# Altium PCB PMSM_Driver.PcbDoc (part 1 of 4) (continued)
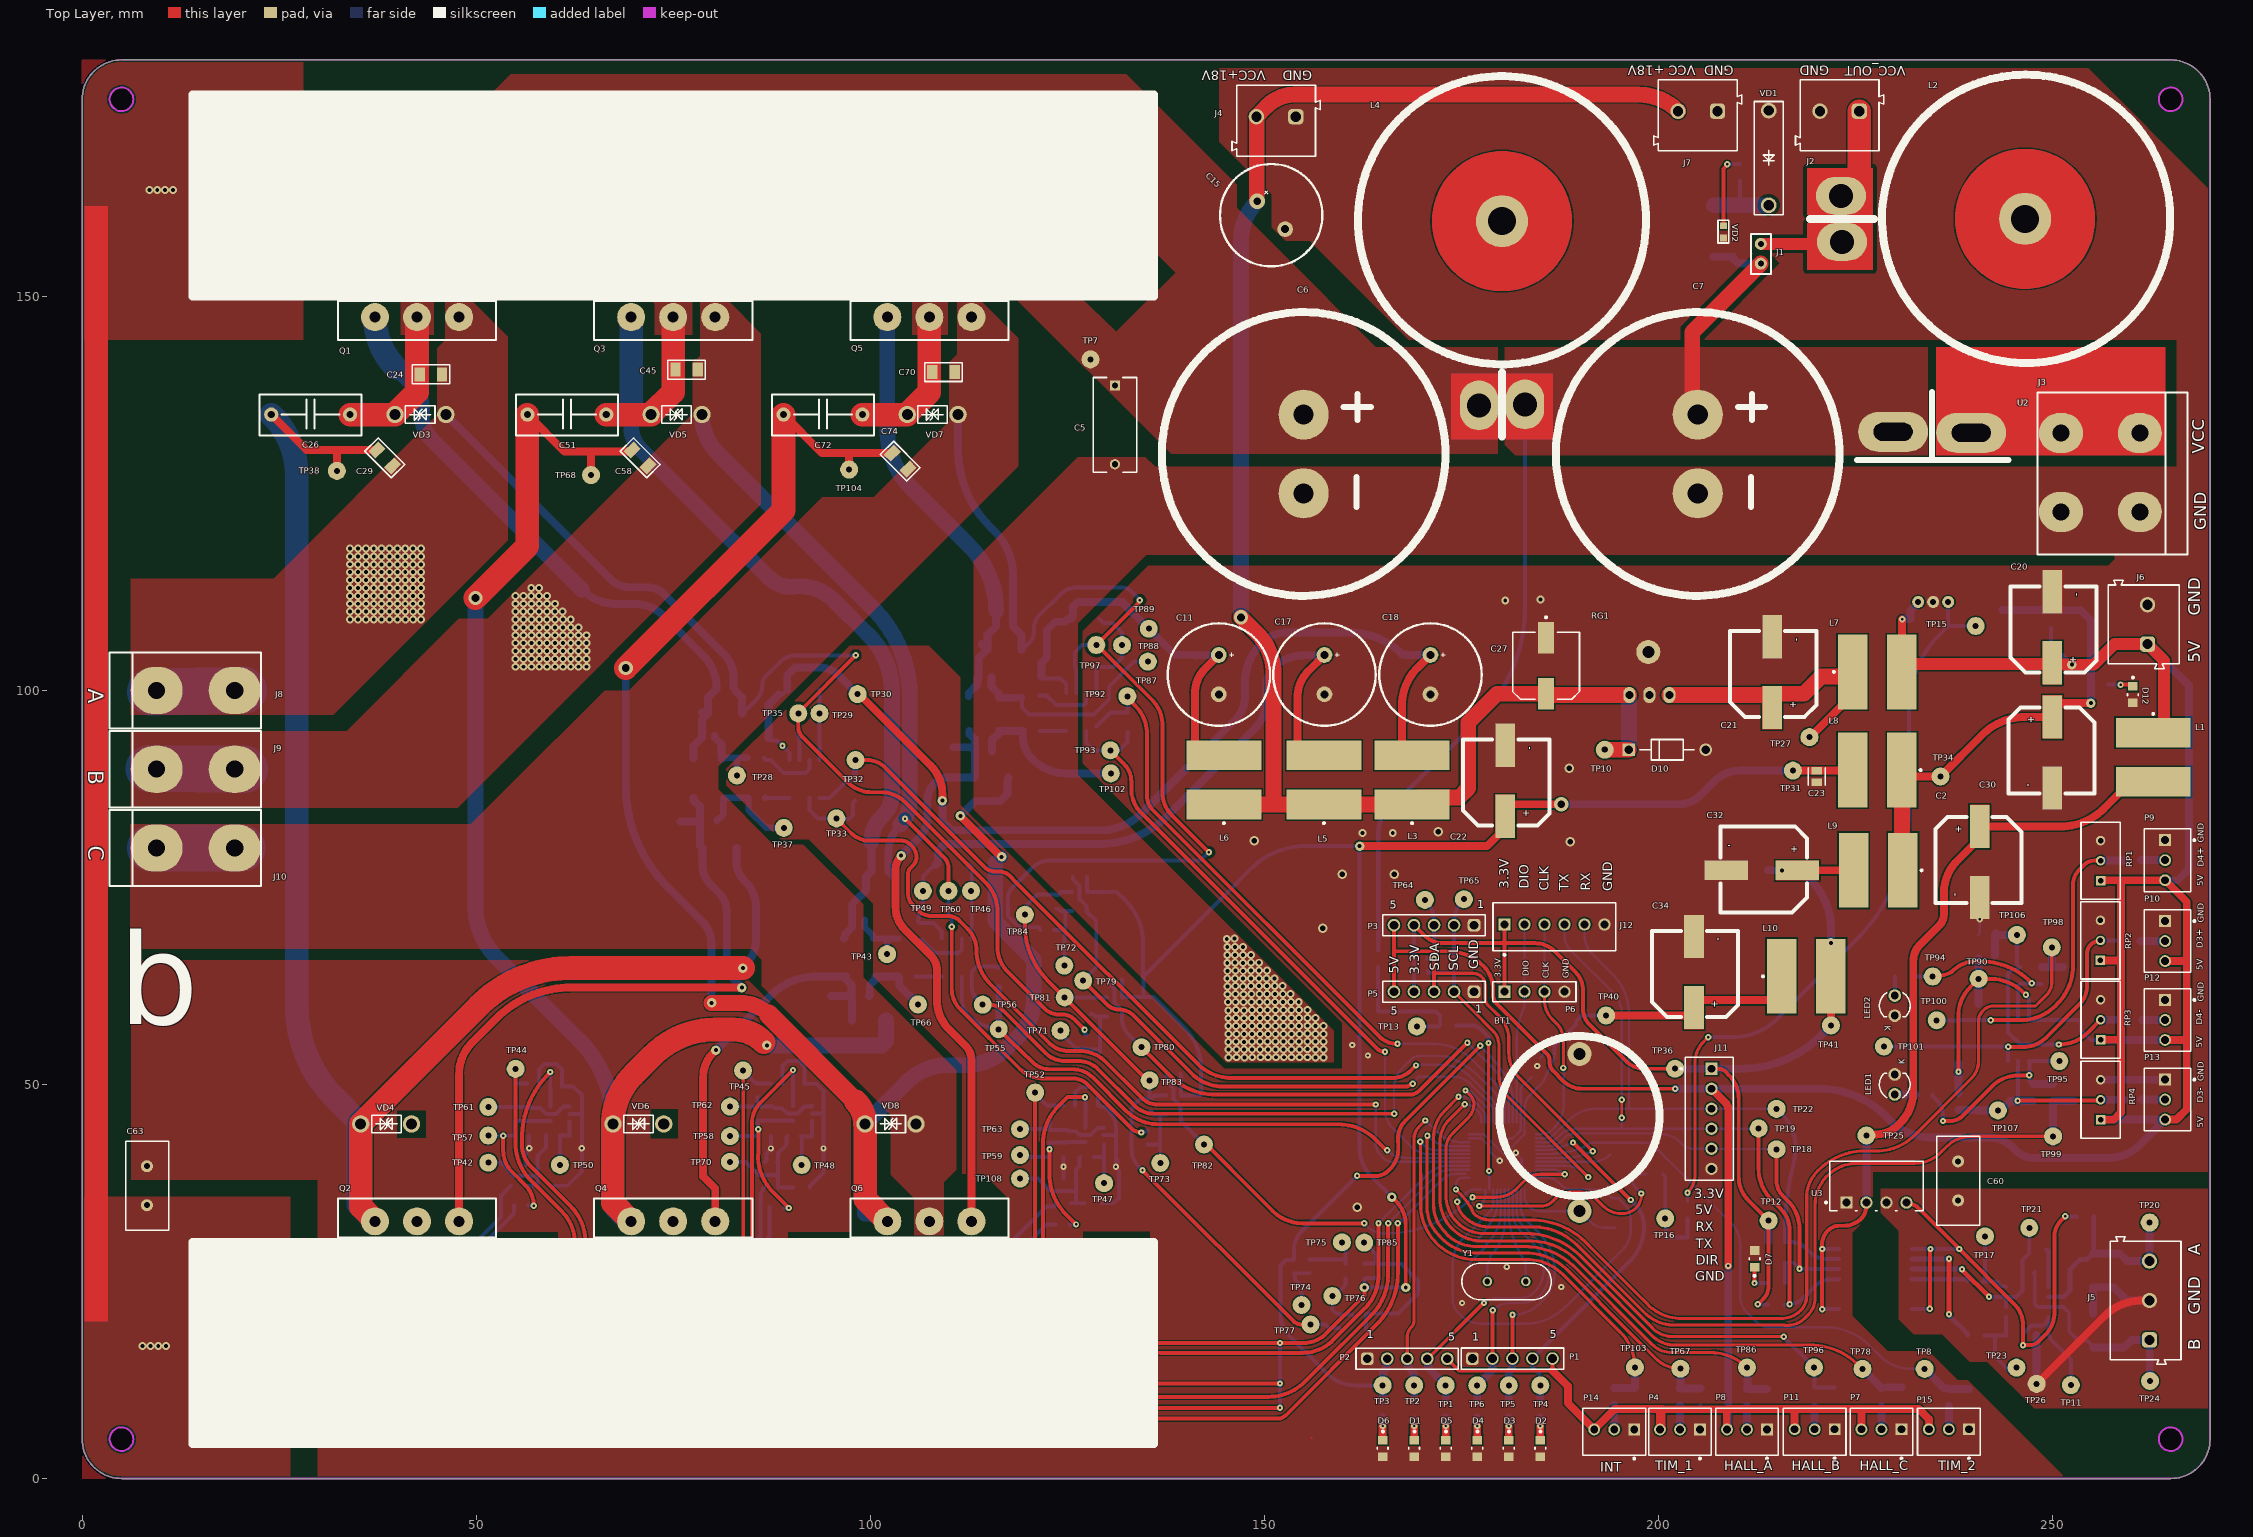
[diagram p0: Top Layer view]
## Components (designator, comment, footprint, x,y, rotation, side; value= is the part's Value field where it differs from the comment) (continued)
D15 "LL4448-GS08" FP-6_560-5005_01-4-MFG 98.516,68.515 r180 bottom value=4pF
D16 "US1G-13-F" FP-SMA-MFG 110.475,77.775 r180 bottom value=20pF
D17 "LL4448-GS08" FP-6_560-5005_01-4-MFG 98.781,63.72 r180 bottom value=4pF
D18 "LL4448-GS08" FP-6_560-5005_01-4-MFG 114.377,99.259 r180 bottom value=4pF
D19 "US1G-13-F" FP-SMA-MFG 127.095,109.065 r180 bottom value=20pF
D20 "LL4448-GS08" FP-6_560-5005_01-4-MFG 114.432,94.867 r180 bottom value=4pF
D21 "LMV358AIDR" 8-SOIC 245.021,55.568 r90 bottom
J1 "Jumper 1x2.54" Jumper_2.54 213,156.655 r270 top
J2 "691101710002" 691101710002 223,173 r180 top locked
J3 "TL-800" Conn_Tianli_T-800 256.1,127.65 r90 top
J4 "691101710002" 691101710002 151.5,172.3 r180 top locked
J5 "691101710003" 691101710003 261.82,22.59 r90 top
J6 "691101710002" 691101710002 261.575,108.375 r90 top
J7 "691101710002" 691101710002 205,173 r180 top locked
J8 "MG_136_HT" Conn_MEIGAN_MG136HT 12,100 r270 top
J9 "MG_136_HT" Conn_MEIGAN_MG136HT 12,90 r270 top
J10 "MG_136_HT" Conn_MEIGAN_MG136HT 12,80 r270 top locked
J11 "SWR25X-NRTC-S06-ST-BA" Sullins_SWR25X-NRTC-S06-ST-BA_MFG 206.452,45.647 r270 top
J12 "SWR25X-NRTC-S06-ST-BA" Sullins_SWR25X-NRTC-S06-ST-BA_MFG 186.818,70.002 r0 top
L1 "744776227" WE-PD2_1054 1532.8,-1178.475 r270 top
L2 "Coil" Coil_drosel 252,170 r90 top locked
L3 "744776227" WE-PD2_1054 -1101.25,1358.65 r90 top locked
L4 "Coil" Coil_drosel 170,165 r180 top
L5 "744776227" WE-PD2_1054 -1112.435,1358.65 r90 top locked
L6 "744776227" WE-PD2_1054 -1125.128,1358.65 r90 top locked
L7 "744776227" WE-PD2_1054 1497.775,1372.35 r0 top
L8 "744776227" WE-PD2_1054 -1042.225,-1180.117 r180 top
L9 "744776227" WE-PD2_1054 -1042.1,-1192.825 r180 top
L10 "744776227" WE-PD2_1054 1488.775,1333.725 r0 top
LED1 "151033BS03000" "Type 3mm" 230,50 r90 top locked
LED2 "151033BS03000" "Type 3mm" 230,60 r270 top locked
P1 "61300511121" 61300511121 181.491,15.221 r0 top
P2 "61300511121" 61300511121 168.136,15.196 r0 top
P3 "61300511121" 61300511121 171.536,70.213 r180 top
P4 "61900311121" 61900311121 202.745,5.92 r0 top
P5 "61300511121" 61300511121 171.536,61.773 r180 top
P6 "TSW-104-08-G-S" SMTC-TSW-104-08-X-S 180.47,61.775 r0 top locked
P7 "61900311121" 61900311121 228.31,5.95 r0 top
P8 "61900311121" 61900311121 211.253,5.929 r0 top
P9 "61900311121" 61900311121 264.606,78.459 r90 top
P10 "61900311121" 61900311121 264.606,68.194 r90 top
P11 "61900311121" 61900311121 219.835,5.951 r0 top
P12 "61900311121" 61900311121 264.606,58.184 r90 top
P13 "61900311121" 61900311121 264.606,48.084 r90 top
P14 "61900311121" 61900311121 194.402,5.925 r0 top
P15 "61900311121" 61900311121 236.865,5.95 r0 top locked
Q1 "F60N120T" TO-264-3 42.5,148 r0 top locked
Q2 "F60N120T" TO-264-3 42.5,32 r180 top locked
Q3 "F60N120T" TO-264-3 75,148 r0 top locked
Q4 "F60N120T" TO-264-3 75,32 r180 top locked
Q5 "F60N120T" TO-264-3 107.5,148 r0 top locked
Q6 "F60N120T" TO-264-3 107.5,32 r180 top locked
R1 "220" Yageo_RC0805_IPC_A 185.021,8.821 r90 bottom
R2 "" Yageo_RC0805_IPC_A 181.021,8.821 r90 bottom
R3 "" Yageo_RC0805_IPC_A 177.021,8.821 r90 bottom
R4 "" Yageo_RC0805_IPC_A 173.021,8.821 r90 bottom
R5 "" Yageo_RC0805_IPC_A 169.021,8.821 r90 bottom
R6 "" Yageo_RC0805_IPC_A 165.021,8.821 r90 bottom
R7 "RC0805FR-07100KL" Yageo_RC0805_IPC_A 164.45,65.975 r90 bottom
R8 "4.7K" RES-2512 208.246,158.3 r270 bottom
R9 "" Yageo_RC0805_IPC_A 194,40 r270 bottom locked
R10 "" Yageo_RC0805_IPC_A 203.7,34.1 r90 bottom
R11 "" Yageo_RC0805_IPC_A 210.375,165.7 r270 bottom
R12 "" Yageo_RC0805_IPC_A 254.18,33.26 r180 bottom
R13 "" Yageo_RC0805_IPC_A 215,30.025 r180 bottom locked
R14 "" Yageo_RC0805_IPC_A 215,22.1 r180 bottom locked
R15 "" Yageo_RC0805_IPC_A 245.2,18.171 r0 bottom
R16 "" Yageo_RC0805_IPC_A 240.35,27.87 r180 bottom
R17 "" Yageo_RC0805_IPC_A 164.45,58.239 r90 bottom
R18 "" Yageo_RC0805_IPC_A 240.346,25.17 r180 bottom
R19 "" Yageo_RC0805_IPC_A 203.717,29.525 r90 bottom
R20 "" Yageo_RC0805_IPC_A 240.305,18.171 r180 bottom
R21 "" Yageo_RC0805_IPC_A 215,24.8 r0 bottom locked
R22 "10K" Yageo_RC0805_IPC_C 248.64,26.21 r180 bottom
R23 "" Yageo_RC0805_IPC_A 248.14,28.744 r180 bottom
R24 "" Yageo_RC0805_IPC_A 215,27.375 r0 bottom locked
R25 "10 OHM" FP-RT0805-IPC_C 79.464,94.237 r180 bottom value=10Ω
R26 "" Yageo_RC0805_IPC_A 81.564,100.388 r180 bottom
R27 "10 OHM" FP-RT0805-MFG 85.464,91.437 r180 bottom value=10Ω
R28 "" Yageo_RC0805_IPC_A 99.132,86.049 r180 bottom
R29 "" Yageo_RC0805_IPC_A 99.132,88.719 r180 bottom
R30 "" Yageo_RC0805_IPC_A 85.587,86.388 r0 bottom
R31 "" Yageo_RC0805_IPC_A 256.05,100.722 r180 bottom
R32 "" Yageo_RC0805_IPC_A 79.464,83.388 r0 bottom
R33 "" Yageo_RC0805_IPC_A 74.864,83.388 r0 bottom
R34 "" Yageo_RC0805_IPC_A 174.975,27.169 r180 bottom
R35 "1K" Yageo_RC0805_IPC_C 55.305,37.15 r180 bottom
R36 "RES-CONST" RES-3921 42.5,21 r135 bottom locked
R37 "" Yageo_RC0805_IPC_A 58.874,37.15 r180 bottom
R38 "10 OHM" FP-RT0805-IPC_C 98.516,70.915 r180 bottom value=10Ω
R39 "10K" Yageo_RC0805_IPC_C 59.751,43.525 r180 bottom
R40 "10K" Yageo_RC0805_IPC_C 90.364,43.44 r180 bottom
R41 "1K" Yageo_RC0805_IPC_C 55.006,49.269 r270 bottom
R42 "10K" Yageo_RC0805_IPC_C 127.523,40.821 r180 bottom
R43 "1K" Yageo_RC0805_IPC_C 85.723,49.314 r270 bottom
R44 "1K" Yageo_RC0805_IPC_C 122.722,46.445 r270 bottom
R45 "" Yageo_RC0805_IPC_A 101.215,77.215 r180 bottom
R46 "10K" Yageo_RC0805_IPC_C 169.796,65.975 r0 bottom
R47 "10K" Yageo_RC0805_IPC_C 169.903,64.175 r0 bottom
R48 "10 OHM" FP-RT0805-MFG 104.641,68.515 r180 bottom value=10Ω
R49 "10K" Yageo_RC0805_IPC_C 55.007,46.275 r270 bottom
R50 "10K" Yageo_RC0805_IPC_C 85.723,46.314 r270 bottom
R51 "10K" Yageo_RC0805_IPC_C 55.807,43.525 r0 bottom
R52 "10K" Yageo_RC0805_IPC_C 122.722,43.446 r270 bottom
R53 "10K" Yageo_RC0805_IPC_C 86.523,43.44 r0 bottom
R54 "" Yageo_RC0805_IPC_A 117.336,62.363 r180 bottom
R55 "10K" Yageo_RC0805_IPC_C 123.643,40.821 r0 bottom
R56 "" Yageo_RC0805_IPC_A 117.336,64.963 r180 bottom
R57 "" Yageo_RC0805_IPC_A 104.681,63.72 r0 bottom
R58 "" Yageo_RC0805_IPC_A 98.781,61.22 r0 bottom
R59 "" Yageo_RC0805_IPC_A 93.946,61.22 r0 bottom
R60 "" Yageo_RC0805_IPC_A 202.745,10.47 r270 bottom locked
R61 "10K" Yageo_RC0805_IPC_C 131.075,63.3 r180 bottom
R62 "" Yageo_RC0805_IPC_A 205.345,10.47 r270 bottom locked
R63 "1K" Yageo_RC0805_IPC_C 87.425,36.95 r180 bottom
R64 "RES-CONST" RES-3921 75,21 r135 bottom locked
R65 "10K" Yageo_RC0805_IPC_C 126.572,76.325 r180 bottom
R66 "100K" Yageo_RC0805_IPC_C 127.456,55.378 r270 bottom
R67 "10K" Yageo_RC0805_IPC_C 138.5,51.325 r180 bottom
R68 "100K" Yageo_RC0805_IPC_C 164.5,26.317 r90 bottom
R69 "100K" Yageo_RC0805_IPC_C 128.025,59.825 r270 bottom
R70 "100K" Yageo_RC0805_IPC_C 122.45,69.575 r0 bottom
R71 "100K" Yageo_RC0805_IPC_C 135.207,43.278 r270 bottom
R72 "100K" Yageo_RC0805_IPC_C 123.597,73.175 r270 bottom
R73 "" Yageo_RC0805_IPC_A 91.3,36.95 r180 bottom
R74 "100K" Yageo_RC0805_IPC_C 135.45,47.375 r270 bottom
R75 "10K" Yageo_RC0805_IPC_C 153.75,26.913 r90 bottom
R76 "10K" Yageo_RC0805_IPC_C 155.75,26.938 r270 bottom
R77 "100K" Yageo_RC0805_IPC_C 159.525,19.97 r270 bottom
R78 "" Yageo_RC0805_IPC_A 228.31,10.5 r270 bottom locked
R79 "1K" Yageo_RC0805_IPC_C 130.074,56.45 r0 bottom
R80 "1K" Yageo_RC0805_IPC_C 125.622,69.575 r0 bottom
R81 "1K" Yageo_RC0805_IPC_C 137.723,44.325 r0 bottom
R82 "10K" Yageo_RC0805_IPC_C 162.028,20.77 r0 bottom
R83 "" Yageo_RC0805_IPC_A 230.85,10.5 r270 bottom locked
R84 "100K" Yageo_RC0805_IPC_C 162.028,18.893 r180 bottom
R85 "" Yageo_RC0805_IPC_A 211.253,10.479 r270 bottom locked
R86 "10 OHM" FP-RT0805-IPC_C 114.577,101.665 r180 bottom value=10Ω
R87 "" Yageo_RC0805_IPC_A 213.793,10.479 r270 bottom locked
R88 "" Yageo_RC0805_IPC_A 117.052,108.331 r180 bottom
R89 "10 OHM" FP-RT0805-MFG 120.329,99.36 r180 bottom value=10Ω
R90 "" Yageo_RC0805_IPC_A 240.642,59.218 r90 bottom
R91 "" Yageo_RC0805_IPC_A 238.084,53.768 r270 bottom
R92 "" Yageo_RC0805_IPC_A 247.521,48.998 r90 bottom
R93 "" Yageo_RC0805_IPC_A 245.887,63.841 r270 bottom
R94 "" Yageo_RC0805_IPC_A 219.835,10.5 r270 bottom locked
R95 "" Yageo_RC0805_IPC_A 260.106,78.399 r180 bottom
R96 "" Yageo_RC0805_IPC_A 260.072,68.194 r0 bottom
R97 "" Yageo_RC0805_IPC_A 133.697,94.757 r180 bottom
R98 "" Yageo_RC0805_IPC_A 133.697,97.222 r180 bottom
R99 "" Yageo_RC0805_IPC_A 231.1,63.7 r0 bottom
R100 "" Yageo_RC0805_IPC_A 233.723,48.73 r0 bottom
R101 "" Yageo_RC0805_IPC_A 248.646,63.84 r270 bottom
R102 "" Yageo_RC0805_IPC_A 250.063,48.999 r90 bottom
R103 "" Yageo_RC0805_IPC_A 120.431,94.851 r0 bottom
R104 "" Yageo_RC0805_IPC_A 222.375,10.5 r270 bottom locked
R105 "" Yageo_RC0805_IPC_A 238.071,59.218 r270 bottom
R106 "" Yageo_RC0805_IPC_A 240.642,53.768 r90 bottom
R107 "" Yageo_RC0805_IPC_A 114.38,92.274 r0 bottom
R108 "" Yageo_RC0805_IPC_A 110.581,93.867 r270 bottom
R109 "" Yageo_RC0805_IPC_A 251.371,63.84 r90 bottom
R110 "" Yageo_RC0805_IPC_A 252.77,48.999 r270 bottom
R111 "" Yageo_RC0805_IPC_A 238.084,47.824 r90 bottom
R112 "" Yageo_RC0805_IPC_A 260.325,58.184 r0 bottom
R113 "" Yageo_RC0805_IPC_A 241.657,66.334 r180 bottom
R114 "" Yageo_RC0805_IPC_A 194.402,10.5 r270 bottom locked
R115 "" Yageo_RC0805_IPC_A 260.247,48.084 r180 bottom
R116 "1K" Yageo_RC0805_IPC_C 124.4,34.925 r180 bottom
R117 "RES-CONST" RES-3921 107.6,21 r135 bottom locked
R118 "" Yageo_RC0805_IPC_A 196.942,10.5 r270 bottom locked
R119 "" Yageo_RC0805_IPC_A 241.656,68.984 r0 bottom
R120 "" Yageo_RC0805_IPC_A 240.642,47.822 r270 bottom
R121 "" Yageo_RC0805_IPC_A 128.275,34.925 r180 bottom
R122 "10K" Yageo_RC0805_IPC_C 88.149,34.325 r0 bottom
R123 "10K" Yageo_RC0805_IPC_C 55.725,34.675 r0 bottom
R124 "10K" Yageo_RC0805_IPC_C 124.398,32.243 r0 bottom
R125 "" Yageo_RC0805_IPC_A 236.865,10.301 r270 bottom
R126 "" Yageo_RC0805_IPC_A 239.405,10.3 r270 bottom
R127 "" Yageo_RC0805_IPC_A 173.276,57.475 r180 bottom
R128 "" Yageo_RC0805_IPC_A 199.5,38.625 r180 bottom
RG1 "Reg_Fairchild_LM7805CT_eec" TO-220(bend_rad) 198.471,109.574 r0 top
RP1 "10k" Bourns_3296W_MFG 256.106,78.399 r0 top locked
RP2 "10k" Bourns_3296W_MFG 256.096,68.274 r0 top locked
RP3 "10k" Bourns_3296W_MFG 256.106,58.209 r0 top locked
RP4 "10k" Bourns_3296W_MFG 256.106,48.059 r0 top locked
TP1 "Test_Point_PCB" Test_Point 173.021,11.821 r180 top
TP2 "Test_Point_PCB" Test_Point 169.021,11.821 r180 top
TP3 "Test_Point_PCB" Test_Point 165.021,11.821 r180 top
TP4 "Test_Point_PCB" Test_Point 185.021,11.821 r180 top
TP5 "Test_Point_PCB" Test_Point 181.021,11.821 r180 top
TP6 "Test_Point_PCB" Test_Point 177.021,11.821 r180 top
TP7 "Test_Point_PCB" Test_Point 127.95,142 r0 top
TP8 "Test_Point_PCB" Test_Point 233.795,13.916 r90 top
TP10 "Test_Point_PCB" Test_Point 193.2,92.475 r90 top
TP11 "Test_Point_PCB" Test_Point 252.34,11.856 r90 top
TP12 "Test_Point_PCB" Test_Point 213.999,32.725 r90 top
TP13 "Test_Point_PCB" Test_Point 169.354,57.371 r0 top
TP15 "Test_Point_PCB" Test_Point 240.27,108.168 r90 top
TP16 "Test_Point_PCB" Test_Point 200.875,33 r90 top
TP17 "Test_Point_PCB" Test_Point 241.45,30.74 r90 top
TP18 "Test_Point_PCB" Test_Point 215,41.775 r270 top
TP19 "Test_Point_PCB" Test_Point 212.725,44.425 r90 top
TP20 "Test_Point_PCB" Test_Point 262.34,32.48 r90 top
TP21 "Test_Point_PCB" Test_Point 247.064,31.8 r90 top
TP22 "Test_Point_PCB" Test_Point 215,46.91 r270 top
TP23 "Test_Point_PCB" Test_Point 245.45,14.075 r90 top
TP24 "Test_Point_PCB" Test_Point 262.39,12.37 r90 top
TP25 "Test_Point_PCB" Test_Point 226.4,43.526 r90 top
TP26 "Test_Point_PCB" Test_Point 248,12.016 r90 top
TP27 "Test_Point_PCB" Test_Point 219.183,94.07 r90 top
TP28 "Test_Point_PCB" Test_Point 83.082,89.211 r0 top
TP29 "Test_Point_PCB" Test_Point 93.564,97.088 r0 top
TP30 "Test_Point_PCB" Test_Point 98.396,99.522 r90 top
TP31 "Test_Point_PCB" Test_Point 217.075,89.825 r90 top
TP32 "Test_Point_PCB" Test_Point 98.13,91.161 r0 bottom
TP33 "Test_Point_PCB" Test_Point 95.707,83.761 r0 bottom
TP34 "Test_Point_PCB" Test_Point 235.8,89.075 r90 top
TP35 "Test_Point_PCB" Test_Point 90.869,97.088 r0 bottom
TP36 "Test_Point_PCB" Test_Point 202.126,51.997 r180 top
TP37 "Test_Point_PCB" Test_Point 89.03,82.561 r0 bottom
TP38 "Test_Point_PCB" Test_Point 32.325,127.856 r90 bottom
TP40 "Test_Point_PCB" Test_Point 193.375,58.75 r90 top
TP41 "Test_Point_PCB" Test_Point 221.9,57.489 r90 top
TP42 "Test_Point_PCB" Test_Point 51.535,40.075 r90 top
TP43 "Test_Point_PCB" Test_Point 102.136,66.538 r0 top
TP44 "Test_Point_PCB" Test_Point 55.006,51.975 r90 top
TP45 "Test_Point_PCB" Test_Point 83.854,51.783 r90 top
TP46 "Test_Point_PCB" Test_Point 112.782,74.555 r0 top
TP47 "Test_Point_PCB" Test_Point 129.672,37.476 r180 top
TP48 "Test_Point_PCB" Test_Point 91.308,39.789 r90 top
TP49 "Test_Point_PCB" Test_Point 106.675,74.555 r0 top
TP50 "Test_Point_PCB" Test_Point 60.626,39.8 r90 top
TP52 "Test_Point_PCB" Test_Point 120.931,48.972 r180 top
TP55 "Test_Point_PCB" Test_Point 116.3,57 r0 top
TP56 "Test_Point_PCB" Test_Point 114.275,60.125 r0 top
TP57 "Test_Point_PCB" Test_Point 51.535,43.525 r90 top
TP58 "Test_Point_PCB" Test_Point 82.2,43.44 r90 top
TP59 "Test_Point_PCB" Test_Point 119,41.04 r180 top
TP60 "Test_Point_PCB" Test_Point 109.932,74.555 r0 top
TP61 "Test_Point_PCB" Test_Point 51.535,47.151 r90 top
TP62 "Test_Point_PCB" Test_Point 82.2,47.19 r90 top
TP63 "Test_Point_PCB" Test_Point 119,44.322 r180 top
TP64 "Test_Point_PCB" Test_Point 170.378,73.427 r90 top
TP65 "Test_Point_PCB" Test_Point 175.328,73.502 r90 top
TP66 "Test_Point_PCB" Test_Point 106.059,60.154 r0 top
TP67 "Test_Point_PCB" Test_Point 202.801,13.931 r90 top
TP68 "Test_Point_PCB" Test_Point 64.575,127.325 r90 top
TP70 "Test_Point_PCB" Test_Point 82.2,40.189 r90 top
TP71 "Test_Point_PCB" Test_Point 124.145,56.832 r180 bottom
TP72 "Test_Point_PCB" Test_Point 124.622,65.08 r180 bottom
TP73 "Test_Point_PCB" Test_Point 136.8,40.032 r180 bottom
TP74 "Test_Point_PCB" Test_Point 154.725,22.02 r90 top
TP75 "Test_Point_PCB" Test_Point 159.85,29.975 r90 top
TP76 "Test_Point_PCB" Test_Point 158.625,23.163 r90 bottom
TP77 "Test_Point_PCB" Test_Point 155.868,19.547 r90 bottom
TP78 "Test_Point_PCB" Test_Point 225.9,13.916 r90 top
TP79 "Test_Point_PCB" Test_Point 127.022,63.175 r180 bottom
TP80 "Test_Point_PCB" Test_Point 134.425,54.725 r180 bottom
TP81 "Test_Point_PCB" Test_Point 124.675,61.05 r180 bottom
TP82 "Test_Point_PCB" Test_Point 142.349,42.38 r180 bottom
TP83 "Test_Point_PCB" Test_Point 135.45,50.525 r180 bottom
TP84 "Test_Point_PCB" Test_Point 119.62,71.539 r180 bottom
TP85 "Test_Point_PCB" Test_Point 162.682,29.925 r90 bottom
TP86 "Test_Point_PCB" Test_Point 211.253,14.079 r90 top
TP87 "Test_Point_PCB" Test_Point 135.225,103.65 r0 top
TP88 "Test_Point_PCB" Test_Point 131.95,105.743 r0 top
TP89 "Test_Point_PCB" Test_Point 135.347,107.828 r0 top
TP90 "Test_Point_PCB" Test_Point 240.642,63.409 r180 bottom
TP92 "Test_Point_PCB" Test_Point 132.622,99.259 r0 top
TP93 "Test_Point_PCB" Test_Point 130.466,92.4 r0 top
TP94 "Test_Point_PCB" Test_Point 234.809,63.7 r90 top
TP95 "Test_Point_PCB" Test_Point 250.871,52.968 r180 bottom
TP96 "Test_Point_PCB" Test_Point 219.749,14.101 r90 top
TP97 "Test_Point_PCB" Test_Point 128.686,105.765 r0 top
TP98 "Test_Point_PCB" Test_Point 249.925,67.393 r180 top
TP99 "Test_Point_PCB" Test_Point 250.084,43.42 r180 bottom
TP100 "Test_Point_PCB" Test_Point 235.321,58.142 r180 bottom
TP101 "Test_Point_PCB" Test_Point 228.62,54.822 r90 top
TP102 "Test_Point_PCB" Test_Point 130.525,89.475 r0 top
TP103 "Test_Point_PCB" Test_Point 197.027,14.1 r90 top
TP104 "Test_Point_PCB" Test_Point 97.325,128.025 r90 top
TP106 "Test_Point_PCB" Test_Point 245.496,68.984 r90 bottom
TP107 "Test_Point_PCB" Test_Point 243.081,46.709 r180 bottom
TP108 "Test_Point_PCB" Test_Point 119,38.05 r90 top
U1 "STM32F303CCT6" LQFP48-7x7mm 180.275,40.925 r90 bottom locked
U2 "ACS758" ACS758-100 235,121 r0 top locked
U3 "B0505S-1WR3" FP-B0505S-1WR3-MFG 227.67,37.11 r0 top locked
U4 "ADUM1401BRWZ" ADI-RW-16_M 227.56,25.94 r0 bottom
U5 "MAX485ECSA+" SOIC127P600X175-8N 246.8,22.42 r0 bottom
U6 "LM1117MPX-3.3/NOPB" DCY0004A_L 246.725,110.2 r180 bottom locked
U7 "IR2181" SOIC8_INF-L 91.659,88.774 r90 bottom
U8 "MCP6001" SOT-23-5 60.651,46.275 r180 bottom
U9 "MCP6001" SOT-23-5 91.423,46.314 r180 bottom
U10 "MCP6001" SOT-23-5 128.423,43.569 r180 bottom
U11 "IR2181" SOIC8_INF-L 110.976,66.134 r90 bottom
U12 "MCP6001" SOT-23-5 131,59.85 r90 bottom
U13 "MCP6001" SOT-23-5 161.5,26.313 r0 bottom
U14 "MCP6001" SOT-23-5 138.5,47.4 r90 bottom
U15 "MCP6001" SOT-23-5 126.572,73.2 r90 bottom
U16 "IR2181" SOIC8_INF-L 126.777,97.265 r90 bottom
VD1 "15V" DO-017AA 214,167.575 r90 top locked
VD2 "LED" LED-0603 208.246,158.192 r90 top
VD3 "DIODE" DO201AB 42.5,135 r180 top locked
VD4 "DIODE" DO201AB 39,45 r0 top locked
VD5 "DIODE" DO201AB 75,135 r180 top locked
VD6 "DIODE" DO201AB 71,45 r0 top locked
VD7 "DIODE" DO201AB 107.5,135 r180 top locked
VD8 "DIODE" DO201AB 103,45 r0 top locked
Y1 "FOXSLF/120-20" FOX-FOXSLF-2_V 180.75,25 r0 top locked
ZD1 "P6SMB16CA" DO-214AA 255.18,26.425 r90 bottom
ZD2 "P6SMB16CA" DO-214AA 255.15,18.8 r270 bottom
ZD3 "P6SMB16CA" DO-214AA 198.4,95.675 r180 bottom
ZD4 "P6SMB16CA" DO-214AA 81.564,97.088 r180 bottom
ZD5 "P6SMB16CA" DO-214AA 80.864,79.988 r180 bottom
ZD6 "P6SMB16CA" DO-214AA 101.066,74.015 r180 bottom
ZD7 "P6SMB16CA" DO-214AA 99.855,58.12 r180 bottom
ZD8 "P6SMB16CA" DO-214AA 117.052,105.165 r180 bottom
ZD9 "P6SMB16CA" DO-214AA 115.381,88.974 r180 bottom

## Footprints (in the part's own frame and the unit in brackets; to place one, negate y for a bottom-side part, rotate by r counter-clockwise, add the part's x,y. Pads: shape width x height; smd on the part's side, far side on the other; paste and mask are expansions set on the pad)
8-SOIC [mm] "SOIC, 8-Leads, Body 4,90x3,90mm, Pitch 1,27mm, IPC Medium Density"
  rrect50% 1.6x0.8 smd: 1(-2.6,2.025) 4(-2.6,-2.025) 5(2.6,-2.025) 8(2.6,2.025)
  rrect50% 1.6x0.6 smd: 2(-2.6,0.635) 3(-2.6,-0.635) 6(2.6,-0.635) 7(2.6,0.635)
  silkscreen extent -1.5,-2.5 1.5,2.5, body extent -3,-2.45 3,2.45, height 1.75
1000uF_10V_Size_F [mm]
  rect 5.5x2.5 smd: 1(4.5,0) 2(-4.5,0)
  Top Layer region: -7.249,-1.25 -1.749,-1.25 -1.749,1.25 -7.249,1.25
  Top Layer region: 1.778,-1.271 7.278,-1.271 7.278,1.229 1.778,1.229
  silkscreen extent -5.21,-5.33 5.72,5.59, body extent -5.85,-5.15 5.85,5.15, height 10.32
4700uF_100V [mm]
  round 6.35 hole 2.54: 1(-5,0) 2(5,0)
  silkscreen extent -18,-18 18,18, body extent -25.46,-25.46 25.46,25.46, height 43
61300511121 [mm] "Pin Header, pitch 2.54 mm, THT, Vertical, single row, 5p"
  rrect50% 1.6x1.6 hole 1.1: 1(-5.08,0)
  round 1.6 hole 1.1: 2(-2.54,0) 3(0,0) 4(2.54,0) 5(5.08,0)
  silkscreen extent -6.5,-1.35 6.5,1.35, body extent -6.35,-1.27 6.35,1.27, height 8.57
61900311121 [mm] "2.54mm Male Locking Header, 3p"
  rect 1.5x1.5 hole 1: 1(2.54,0.3)
  round 1.5 hole 1: 2(0,0.3) 3(-2.54,0.3)
  silkscreen extent -3.98,-3.52 3.98,2.98, body extent -3.81,-2.9 3.81,2.9, height 11.53
691101710002 [mm] "5,00mm - modular - blue - Horizontal entry with pressure clamp - 12,6mm height - 02p"
  rrect50% 1.95x1.95 hole 1.3: 1(-2.5,-0.5)
  round 1.95 hole 1.3: 2(2.5,-0.5)
  silkscreen extent -5.6,-4.5 5.6,4.5, body extent -5.6,-4.5 5.6,4.5, height 12.65
691101710003 [mm] "5,00mm - modular - blue - Horizontal entry with pressure clamp - 12,6mm height - 03p"
  rrect50% 1.95x1.95 hole 1.3: 1(-5,-0.5)
  round 1.95 hole 1.3: 2(0,-0.5) 3(5,-0.5)
  silkscreen extent -8.1,-4.5 8.1,4.5, body extent -8.1,-4.5 8.1,4.5, height 12.65
ACS758-100 [mil]
  round 60 hole 30: 1(-80,-385) 2(-5,-385) 3(70,-385)
  oval 350x200 hole 90 slot 195 at 0 deg: 4(185,460) 5(-205,465)
  silkscreen extent -385,325 370,665, body extent -281,-404 271,492, height 280
ADI-RW-16_M [mm] "SOIC, 16-Leads, Body 10.3x7.5mm, Pitch 1.27mm, IPC Low Density"
  oval 2.6x0.7 smd: 1(-4.625,4.445) 2(-4.625,3.175) 3(-4.625,1.905) 4(-4.625,0.635) 5(-4.625,-0.635) 6(-4.625,-1.905) 7(-4.625,-3.175) 8(-4.625,-4.445) 9(4.625,-4.445) 10(4.625,-3.175) 11(4.625,-1.905) 12(4.625,-0.635) 13(4.625,0.635) 14(4.625,1.905) 15(4.625,3.175) 16(4.625,4.445)
  silkscreen extent -4.75,-5.25 2.93,5.47, body extent -3.8,-5.25 3.8,5.25, height 2.65
Bourns_3296W_MFG [mm]
  rect 1.2x1.2 hole 0.7 paste-2539.97 mask+0: 1(0.005,-2.54)
  round 1.2 hole 0.7 paste-2539.97 mask+0: 2(0.005,0) 3(0.005,2.54)
  silkscreen extent -2.48,-4.89 2.48,4.89, body extent -2.58,-4.99 2.58,4.99, height 0.25
CAP-0805 [mm]
  rect 0.8x1.25 smd mask+0.015: 1(-1,0) 2(1,0)
  silkscreen extent -1.52,-0.76 1.52,0.76, body extent -1,-0.62 1,0.63, height 0.8
CAP-1206 [mm]
  rect 1.3x1.8 smd: 1(-1.425,0) 2(1.425,0)
  silkscreen extent -2.37,-1.2 2.37,1.2, body extent -1.68,-0.87 1.67,0.87, height 0.95
CAP-V [mil]
  round 60 hole 30: 1(-97.44,0) 2(97.44,0)
  silkscreen extent -222,-106 221,108, body extent -216,-98 216,98, height 610
CAPPOL-12x25 [mm]
  round 2 hole 1: 1(-2.5,0) 2(2.5,0)
  silkscreen extent -6.5,-6.5 6.5,6.5, body extent -6.25,-6.25 6.25,6.25, height 25
Coil_drosel [mil]
  oval 190x250 hole 120: 1(-515,1130) 2(-285,1135)
  round 260 hole 140: GND(-400,215)
  Top Layer circle w300: c-400,215 r199.81
  Top Layer region: -654.99,975 -419.99,975 -419.99,1305 -654.99,1305
  Top Layer region: -379.99,975 -144.99,975 -144.99,1305 -379.99,1305
  Bottom Layer circle w300: c-400,215 r199.81
  Bottom Layer region: -654.99,975 -419.99,975 -419.99,1305 -654.99,1305
  Bottom Layer region: -379.99,975 -144.99,975 -144.99,1305 -379.99,1305
  silkscreen extent -1120,-510 320,1290, body extent -1148,-535 348,1175, height 826
Conn_MEIGAN_MG136HT [mm]
  oval 6x6.6 hole 2.159: 1(0,7.366) 1(0,-2.54)
  silkscreen extent -4.83,-8.51 4.83,10.67, body extent -6,-8.55 5,9.95, height 30.95
Conn_Tianli_T-800 [mm]
  oval 5.08x5.588 hole 2.159: 1(-5,-5) 1(-5,5) 2(5,-5) 2(5,5)
  silkscreen extent -10.41,-11.05 10.16,8, body extent -10.25,-11.3 10.25,7.55, height 30.75
CR2032_BAT [mil]
  round 120 hole 60: 1(-310,0) 2(475,0)
  silkscreen extent -400,-400 400,400, body extent -432,-435 525,439, height 350
DCY0004A_L [mm] "SOT223, 4-Leads, Body 6.7x3.7mm, Pitch 2.3mm, IPC High Density"
  rrect11% 1.45x0.9 smd: 1(-3.075,2.3) 2(-3.075,0) 3(-3.075,-2.3)
  rrect7% 1.45x3.15 smd: 4(3.075,0)
  silkscreen extent -3.2,-3.35 2.05,3.42, body extent -3.5,-3.25 3.5,3.25, height 1.62
DO201AB [mm]
  round 2.2 hole 1.4: 1(-3.65,0) 2(2.8,0)
  silkscreen extent -2.28,-1.1 1.48,1.1, body extent -4.29,-2.8 5.6,2.8, height 15.69
DO-017AA [mm]
  round 2 hole 1.3: 1(-6,0) 2(6,0)
  silkscreen extent -7.2,-1.85 7.15,1.83, body extent -6.63,-1.7 6.37,1.7, height 3.4
DO-214AA [mm]
  rect 2.5x2.3 smd: 1(-2.15,0) 2(2.15,0)
  silkscreen extent -3.7,-1.5 3.7,1.5, body extent -2.65,-1.81 2.65,1.81, height 2.5
FOX-FOXSLF-2_V [mm] "THD, 2-Leads, Body 11.35x4.65mm, Pitch 4.88mm"
  round 1.2 hole 0.7: 1(-2.44,0) 2(2.44,0)
  silkscreen extent -5.68,-2.32 5.68,2.32, body extent -5.67,-2.32 5.68,2.32, height 3.6
FP-6_560-5005_01-4-MFG [mm]
  rect 1.25x2 smd paste+0 mask+0: 1(-1.875,0) 2(1.875,0)
  silkscreen extent -3.33,-0.8 0.87,0.8, body extent -1.75,-0.8 1.75,0.8, height 1.6
FP-6_561-5001_02-4-MFG [mm]
  rect 1.6x1.6 hole 1.05 paste-2539.97 mask+0: 1(-4.888,0)
  round 1.6 hole 1.05 paste-2539.97 mask+0: 2(4.888,0)
  silkscreen extent -3.45,-1.3 3.45,1.3, body extent -5.79,-1.4 5.79,1.4, height 0.25
FP-B0505S-1WR3-MFG [mm]
  rect 1.55x1.55 hole 1 paste-2539.97 mask+0: 1(-3.81,-2.1)
  round 1.55 hole 1 paste-2539.97 mask+0: 2(-1.27,-2.1) 3(1.27,-2.1) 4(3.81,-2.1)
  silkscreen extent -6.52,-3.13 5.92,3.13, body extent -6.02,-3.22 6.02,3.22, height 0.25
FP-C0805C-DN-MFG [mm]
  rect 0.95x1.35 smd paste+0 mask+0: 1(-0.75,0) 2(0.75,0)
  silkscreen extent -1.1,-1.07 1.1,1.07, body extent -1,-0.63 1,0.63, height 0.88
FP-ECQ-E2224JFW-MFG [mm]
  rect 1.3x1.3 hole 0.8 paste-2539.97 mask+0: 1(-5,0)
  round 1.3 hole 0.8 paste-2539.97 mask+0: 2(5,0)
  silkscreen extent -6,-2.75 6,2.75, body extent -6.1,-2.85 6.1,2.85, height 0.25
FP-GRM21B-0_1-IPC_C [mm]
  rect 0.958x1.262 smd paste+0 mask+0: 1(-0.727,0) 2(0.727,0)
  silkscreen extent -1.21,-1.07 1.21,1.07, body extent -1,-0.63 1,0.63, height 1.35
FP-RT0805-IPC_C [mm]
  rect 0.808x1.262 smd paste+0 mask+0: 1(-0.802,0) 2(0.802,0)
  silkscreen extent -1.21,-1.07 1.21,1.07, body extent -1,-0.63 1,0.63, height 0.6
FP-RT0805-MFG [mm]
  rect 0.9x1.2 smd paste+0 mask+0: 1(-1.05,0) 2(1.05,0)
  silkscreen extent -0.23,-0.67 0.23,0.67, body extent -1,-0.63 1,0.63, height 0.6
FP-SF-MFG [mm]
  rect 4x2 smd paste+0 mask+0: 1(-3.55,0) 2(3.55,0)
  silkscreen extent -6.27,-4.25 4.25,4.25, body extent -5.8,-4.5 5.8,4.5, height 0.25
FP-SMA-MFG [mm]
  rect 2.5x1.7 smd paste+0 mask+0: 1(-2,0) 2(2,0)
  silkscreen extent -3.93,-1.46 2.3,1.46, body extent -2.6,-1.3 2.6,1.3, height 2.4
FP-SOD323-MFG [mm]
  rect 0.6x0.6 smd paste-1000 mask+0: 1(-1.1,0) 2(1.1,0)
  silkscreen extent -2.13,-0.67 0.43,0.67, body extent -1.25,-0.63 1.25,0.63, height 1.1
FP-TAJC-MFG [mm]
  rect 2x2.8 smd paste+0 mask+0: 1(-2.25,0) 2(2.25,0)
  silkscreen extent -0.87,-1.7 4.23,1.7, body extent -3,-1.6 3,1.6, height 2.8
Jumper_2.54 [mil]
  round 60 hole 30: 1(0,0) 2(98.43,0)
  silkscreen extent -50,-50 150,50
LED-0603 [mm]
  rect 0.85x0.9 smd: 1(-0.775,0) 2(0.775,0)
  silkscreen extent -1.43,-0.67 1.45,0.67, body extent -0.83,-0.36 0.82,0.36, height 0.68
LED_BLUE [mm]
  rect 1.1x1.2 smd paste+0 mask+0: 1(-1.05,0) 2(1.05,0)
  silkscreen extent -2.27,-0.67 0.13,0.67, body extent -1,-0.63 1,0.63, height 0.8
LED_GREEN [mm]
  rect 1.1x1.2 smd paste+0 mask+0: 1(-1.05,0) 2(1.05,0)
  silkscreen extent -2.27,-0.67 0.13,0.67, body extent -1,-0.63 1,0.63, height 0.8
LED_Yellow [mm]
  rect 1.1x1.2 smd paste+0 mask+0: 1(-1.05,0) 2(1.05,0)
  silkscreen extent -2.27,-0.67 0.13,0.67, body extent -1,-0.63 1,0.63, height 0.8
LQFP48-7x7mm [mm]
  rect 1.194x0.305 smd paste+0 mask+0: 1(-4.25,2.75) 2(-4.25,2.25) 3(-4.25,1.75) 4(-4.25,1.25) 5(-4.25,0.75) 6(-4.25,0.25) 7(-4.25,-0.25) 8(-4.25,-0.75) 9(-4.25,-1.25) 10(-4.25,-1.75) 11(-4.25,-2.25) 12(-4.25,-2.75) 25(4.25,-2.75) 26(4.25,-2.25) 27(4.25,-1.75) 28(4.25,-1.25) 29(4.25,-0.75) 30(4.25,-0.25) 31(4.25,0.25) 32(4.25,0.75) 33(4.25,1.25) 34(4.25,1.75) 35(4.25,2.25) 36(4.25,2.75)
  rect 0.305x1.194 smd paste+0 mask+0: 13(-2.75,-4.25) 14(-2.25,-4.25) 15(-1.75,-4.25) 16(-1.25,-4.25) 17(-0.75,-4.25) 18(-0.25,-4.25) 19(0.25,-4.25) 20(0.75,-4.25) 21(1.25,-4.25) 22(1.75,-4.25) 23(2.25,-4.25) 24(2.75,-4.25) 37(2.75,4.25) 38(2.25,4.25) 39(1.75,4.25) 40(1.25,4.25) 41(0.75,4.25) 42(0.25,4.25) 43(-0.25,4.25) 44(-0.75,4.25) 45(-1.25,4.25) 46(-1.75,4.25) 47(-2.25,4.25) 48(-2.75,4.25)
  silkscreen extent -5.43,-5.35 5.35,5.35, body extent -4.5,-4.5 4.5,4.5, height 1.6
"MKP 100nF 275VAC" [mm]
  round 1.8 hole 0.9: 1(-5,0) 2(5,0)
  silkscreen extent -6.48,-2.54 6.48,2.67, body extent -6.5,-2.5 6.5,2.5, height 11.55
RES-2512 [mm]
  rect 1.8x1.45 smd: 1(-3.275,-1.225) 1(-3.275,1.225) 2(3.275,-1.225) 2(3.275,1.225)
  silkscreen extent -4.28,-2.05 4.25,2.05, body extent -3.2,-1.6 3.2,1.6, height 0.6
RES-3921 [mm]
  rect 2.75x6.2 smd: 1(-4.2,0) 2(4.2,0)
  silkscreen extent -5.8,-3.3 5.8,3.3, body extent -5,-2.6 5,2.6, height 0.83
SMTC-TSW-104-08-X-S [mm] ".025 SQ Post Terminal Strip Assembly, 1x4 Pins, Vertical, 2.54mm Pitch, Male"
  rect 1.55x1.55 hole 1.02: 1(0,0)
  round 1.55 hole 1.02: 2(2.54,0) 3(5.08,0) 4(7.62,0)
  silkscreen extent -1.46,-1.27 9.08,1.27, body extent -1.27,-1.27 8.89,1.27, height 8.38
SOIC8_INF-L [mm]
  rect 1.67x0.508 smd paste+0 mask+0: 1(-2.414,1.905) 2(-2.414,0.635) 3(-2.414,-0.635) 4(-2.414,-1.905) 5(2.414,-1.905) 6(2.414,-0.635) 7(2.414,0.635) 8(2.414,1.905)
  silkscreen extent -2.12,-2.63 2.12,2.63, body extent -3.1,-2.5 3.1,2.5, height 1.76
SOIC127P600X175-8N [mm]
  rect 1.525x0.65 smd: 1(-2.712,1.905) 2(-2.712,0.635) 3(-2.712,-0.635) 4(-2.712,-1.905) 5(2.712,-1.905) 6(2.712,-0.635) 7(2.712,0.635) 8(2.712,1.905)
  silkscreen extent -3.47,-2.45 1.6,2.58, body extent -3,-2.45 3,2.45, height 1.75
SOT-23-5 [mm]
  rect 0.9x0.65 smd: 1(-1.2,0.95) 2(-1.2,0) 3(-1.2,-0.95) 4(1.2,-0.95) 5(1.2,0.95)
  silkscreen extent -1.33,-1.55 0.35,1.95, body extent -1.4,-1.45 1.4,1.45, height 1.24
Sullins_SWR25X-NRTC-S06-ST-BA_MFG [mm]
  rect 1.55x1.55 hole 1 paste-2539.97 mask+0: 1(-6.35,0.3)
  round 1.55 hole 1 paste-2539.97 mask+0: 2(-3.81,0.3) 3(-1.27,0.3) 4(1.27,0.3) 5(3.81,0.3) 6(6.35,0.3)
  silkscreen extent -7.8,-3.67 7.8,3.05, body extent -7.9,-3.15 7.9,3.15, height 0.25
Test_Point [mil]
  round 90 hole 30 paste-99999 mask+4: 1(0,0)
TO-220(bend_rad) [mil]
  oval 60x80 / inner oval 75x90 / far side oval 80x100 hole 40: 1(-85,-400) 2(15,-400) 3(115,-400)
  round 120 hole 60: 2(10,-185)
  body extent -285,-481 306,-50, height 994
TO-264-3 [mil]
  round 140 hole 55: 1(-210,-25) 2(0,-25) 3(210,-25)
  silkscreen extent -395,-140 400,115, body extent -394,-138 394,59, height 1280
"Type 3mm" [mm] "THT, LED-3mm, 2pin- Body 4.15mm(max)"
  round 1.6 hole 1: 1(1.27,0) 2(-1.27,0)
  silkscreen extent -1.66,-1.95 1.4,1.95, body extent -1.93,-1.94 1.87,1.94, height 10.5
WE-PD2_1054 [mm] "SMD Power Inductor, 2-Leads, body 10x9mm"
  rect 3.75x9.5 smd: 1(-1273.125,-1270) 2(-1266.875,-1270)
  silkscreen extent -1275.62,-1270.12 -1275.38,-1269.87, body extent -1275.04,-1274.5 -1264.96,-1265.5, height 5.43
Yageo_RC0805_IPC_A [mm]
  rect 1.157x1.508 smd paste+0 mask+0: 1(-1.076,0) 2(1.076,0)
  silkscreen extent -0.12,-0.63 0.12,0.63, body extent -1,-0.62 1,0.63, height 0.6
Yageo_RC0805_IPC_C [mm]
  rect 0.757x1.308 smd paste+0 mask+0: 1(-0.876,0) 2(0.876,0)
  silkscreen extent -0.12,-0.63 0.12,0.63, body extent -1,-0.62 1,0.63, height 0.6